# KiCad board Keyboard.kicad_pcb (continued)
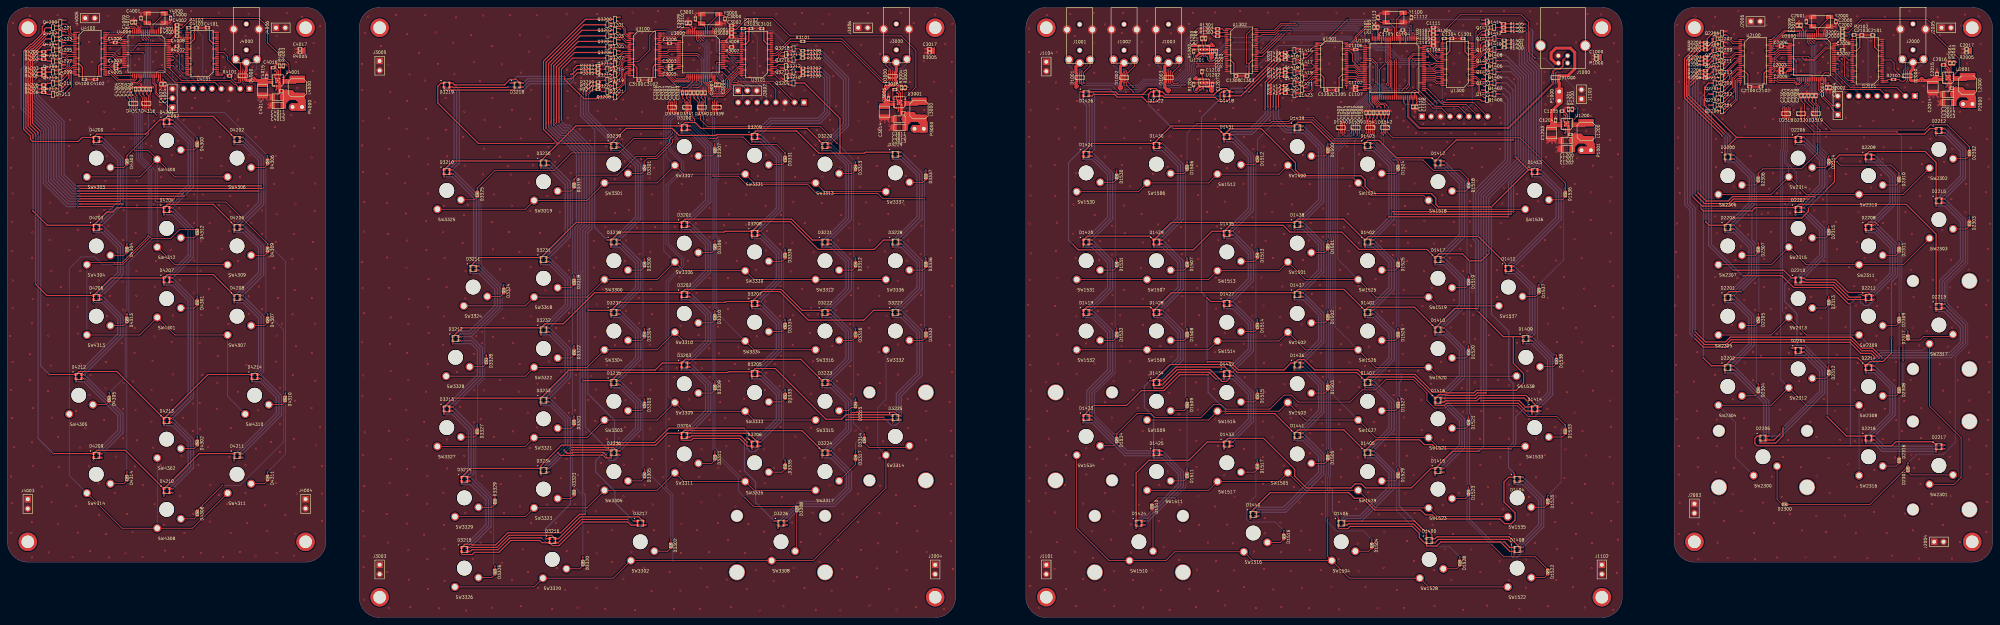
[diagram p0: board, top side]
## Nets (continued)
/Keyboard-Right/LED-Matrix-Right/LC8: Q1407.1 U1300.12
/Keyboard-Right/LED-Matrix-Right/LC8_X1: D1407.1 D1416.1 D1425.1 D1434.1 Q1407.3
/Keyboard-Right/LED-Matrix-Right/LC9: Q1408.1 U1300.13
/Keyboard-Right/LED-Matrix-Right/LC9_X1: D1408.1 D1417.1 D1426.1 D1435.1 Q1408.3
/Keyboard-Right/LED-Matrix-Right/LR1: Q1409.1 U1300.14
/Keyboard-Right/LED-Matrix-Right/LR1_X1: D1400.4 D1401.4 D1402.4 D1403.4 D1404.4 D1405.4 D1406.4 D1407.4 D1408.4 R1400.1
/Keyboard-Right/LED-Matrix-Right/LR2: Q1410.1 U1300.16
/Keyboard-Right/LED-Matrix-Right/LR2_X1: D1400.3 D1401.3 D1402.3 D1403.3 D1404.3 D1405.3 D1406.3 D1407.3 D1408.3 R1401.1
/Keyboard-Right/LED-Matrix-Right/LR3: Q1411.1 U1300.17
/Keyboard-Right/LED-Matrix-Right/LR3_X1: D1400.2 D1401.2 D1402.2 D1403.2 D1404.2 D1405.2 D1406.2 D1407.2 D1408.2 R1402.1
/Keyboard-Right/LED-Matrix-Right/LR4: Q1412.1 U1300.19
/Keyboard-Right/LED-Matrix-Right/LR4_X1: D1409.4 D1410.4 D1411.4 D1412.4 D1413.4 D1414.4 D1415.4 D1416.4 D1417.4 R1403.1
/Keyboard-Right/LED-Matrix-Right/LR5: Q1413.1 U1300.20
/Keyboard-Right/LED-Matrix-Right/LR5_X1: D1409.3 D1410.3 D1411.3 D1412.3 D1413.3 D1414.3 D1415.3 D1416.3 D1417.3 R1404.1
/Keyboard-Right/LED-Matrix-Right/LR6: Q1414.1 U1301.2
/Keyboard-Right/LED-Matrix-Right/LR6_X1: D1409.2 D1410.2 D1411.2 D1412.2 D1413.2 D1414.2 D1415.2 D1416.2 D1417.2 R1405.1
/Keyboard-Right/LED-Matrix-Right/LR7: Q1415.1 U1301.3
/Keyboard-Right/LED-Matrix-Right/LR7_X1: D1418.4 D1419.4 D1420.4 D1421.4 D1422.4 D1423.4 D1424.4 D1425.4 D1426.4 R1406.1
/Keyboard-Right/LED-Matrix-Right/LR8: Q1416.1 U1301.5
/Keyboard-Right/LED-Matrix-Right/LR8_X1: D1418.3 D1419.3 D1420.3 D1421.3 D1422.3 D1423.3 D1424.3 D1425.3 D1426.3 R1407.1
/Keyboard-Right/LED-Matrix-Right/LR9: Q1417.1 U1301.13
/Keyboard-Right/LED-Matrix-Right/LR9_X1: D1418.2 D1419.2 D1420.2 D1421.2 D1422.2 D1423.2 D1424.2 D1425.2 D1426.2 R1408.1
/Keyboard-Right/LED-Matrix-Right/LR10: Q1418.1 U1301.14
/Keyboard-Right/LED-Matrix-Right/LR10_X1: D1427.4 D1428.4 D1429.4 D1430.4 D1431.4 D1432.4 D1433.4 D1434.4 D1435.4 R1409.1
/Keyboard-Right/LED-Matrix-Right/LR11: Q1419.1 U1301.16
/Keyboard-Right/LED-Matrix-Right/LR11_X1: D1427.3 D1428.3 D1429.3 D1430.3 D1431.3 D1432.3 D1433.3 D1434.3 D1435.3 R1410.1
/Keyboard-Right/LED-Matrix-Right/LR12: Q1420.1 U1301.17
/Keyboard-Right/LED-Matrix-Right/LR12_X1: D1427.2 D1428.2 D1429.2 D1430.2 D1431.2 D1432.2 D1433.2 D1434.2 D1435.2 R1411.1
/Keyboard-Right/LED-Matrix-Right/LR13: Q1421.1 U1301.19
/Keyboard-Right/LED-Matrix-Right/LR13_X1: D1436.4 D1437.4 D1438.4 D1439.4 D1440.4 D1441.4 R1412.1
/Keyboard-Right/LED-Matrix-Right/LR14: Q1422.1 U1301.20
/Keyboard-Right/LED-Matrix-Right/LR14_X1: D1436.3 D1437.3 D1438.3 D1439.3 D1440.3 D1441.3 R1413.1
/Keyboard-Right/LED-Matrix-Right/LR15: Q1423.1 U1301.22
/Keyboard-Right/LED-Matrix-Right/LR15_X1: D1436.2 D1437.2 D1438.2 D1439.2 D1440.2 D1441.2 R1414.1
/RX_M1: D1001.4 D1001.7 J1001.6 U1302.13
/RX_M2: D1002.4 D1002.7 J1002.6 U1302.14
/RX_M3: D1003.4 D1003.7 J1003.6 U1302.16
/RX_S1: D2000.1 D2000.10 J2000.2 U2101.13
/RX_S2: D3000.1 D3000.10 J3000.2 U3101.13
/RX_S3: D4000.1 D4000.10 J4000.2 U4101.13
/TX_M1: D1001.5 D1001.6 J1001.2 R1301.2
/TX_M2: D1002.5 D1002.6 J1002.2 R1302.2
/TX_M3: D1003.5 D1003.6 J1003.2 R1303.2
/TX_S1: D2000.2 D2000.9 J2000.6 R2101.2
/TX_S2: D3000.2 D3000.9 J3000.6 R3101.2
/TX_S3: D4000.2 D4000.9 J4000.6 R4101.2
USB_SHIELD: C1000.1 J1000.5 R1000.1 X1000.1 X1001.1 X1002.1 X1003.1
Net-(D1500-A): D1500.2 SW1500.2
Net-(D1501-A): D1501.2 SW1501.2
Net-(D1502-A): D1502.2 SW1502.2
Net-(D1503-A): D1503.2 SW1503.2
Net-(D1504-A): D1504.2 SW1504.2
Net-(D1505-A): D1505.2 SW1505.2
Net-(D1506-A): D1506.2 SW1506.2
Net-(D1507-A): D1507.2 SW1507.2
Net-(D1508-A): D1508.2 SW1508.2
Net-(D1509-A): D1509.2 SW1509.2
Net-(D1510-A): D1510.2 SW1510.2
Net-(D1511-A): D1511.2 SW1511.2
Net-(D1512-A): D1512.2 SW1512.2
Net-(D1513-A): D1513.2 SW1513.2
Net-(D1514-A): D1514.2 SW1514.2
Net-(D1515-A): D1515.2 SW1515.2
Net-(D1516-A): D1516.2 SW1516.2
Net-(D1517-A): D1517.2 SW1517.2
Net-(D1518-A): D1518.2 SW1518.2
Net-(D1519-A): D1519.2 SW1519.2
Net-(D1520-A): D1520.2 SW1520.2
Net-(D1521-A): D1521.2 SW1521.2
Net-(D1522-A): D1522.2 SW1522.2
Net-(D1523-A): D1523.2 SW1523.2
Net-(D1524-A): D1524.2 SW1524.2
Net-(D1525-A): D1525.2 SW1525.2
Net-(D1526-A): D1526.2 SW1526.2
Net-(D1527-A): D1527.2 SW1527.2
Net-(D1528-A): D1528.2 SW1528.2
Net-(D1529-A): D1529.2 SW1529.2
Net-(D1530-A): D1530.2 SW1530.2
Net-(D1531-A): D1531.2 SW1531.2
Net-(D1532-A): D1532.2 SW1532.2
Net-(D1533-A): D1533.2 SW1533.2
Net-(D1534-A): D1534.2 SW1534.2
Net-(D1535-A): D1535.2 SW1535.2
Net-(D1536-A): D1536.2 SW1536.2
Net-(D1537-A): D1537.2 SW1537.2
Net-(D1538-A): D1538.2 SW1538.2
Net-(D2300-A): D2300.2 SW2300.2
Net-(D2301-A): D2301.2 SW2301.2
Net-(D2302-A): D2302.2 SW2302.2
Net-(D2303-A): D2303.2 SW2303.2
Net-(D2304-A): D2304.2 SW2304.2
Net-(D2305-A): D2305.2 SW2305.2
Net-(D2306-A): D2306.2 SW2306.2
Net-(D2307-A): D2307.2 SW2307.2
Net-(D2308-A): D2308.2 SW2308.2
Net-(D2309-A): D2309.2 SW2309.2
Net-(D2310-A): D2310.2 SW2310.2
Net-(D2311-A): D2311.2 SW2311.2
Net-(D2312-A): D2312.2 SW2312.2
Net-(D2313-A): D2313.2 SW2313.2
Net-(D2314-A): D2314.2 SW2314.2
Net-(D2315-A): D2315.2 SW2315.2
Net-(D2316-A): D2316.2 SW2316.2
Net-(D2317-A): D2317.2 SW2317.2
Net-(D3300-A): D3300.2 SW3300.2
Net-(D3301-A): D3301.2 SW3301.2
Net-(D3302-A): D3302.2 SW3302.2
Net-(D3303-A): D3303.2 SW3303.2
Net-(D3304-A): D3304.2 SW3304.2
Net-(D3305-A): D3305.2 SW3305.2
Net-(D3306-A): D3306.2 SW3306.2
Net-(D3307-A): D3307.2 SW3307.2
Net-(D3308-A): D3308.2 SW3308.2
Net-(D3309-A): D3309.2 SW3309.2
Net-(D3310-A): D3310.2 SW3310.2
Net-(D3311-A): D3311.2 SW3311.2
Net-(D3312-A): D3312.2 SW3312.2
Net-(D3313-A): D3313.2 SW3313.2
Net-(D3314-A): D3314.2 SW3314.2
Net-(D3315-A): D3315.2 SW3315.2
Net-(D3316-A): D3316.2 SW3316.2
Net-(D3317-A): D3317.2 SW3317.2
Net-(D3318-A): D3318.2 SW3318.2
Net-(D3319-A): D3319.2 SW3319.2
Net-(D3320-A): D3320.2 SW3320.2
Net-(D3321-A): D3321.2 SW3321.2
Net-(D3322-A): D3322.2 SW3322.2
Net-(D3323-A): D3323.2 SW3323.2
Net-(D3324-A): D3324.2 SW3324.2
Net-(D3325-A): D3325.2 SW3325.2
Net-(D3326-A): D3326.2 SW3326.2
Net-(D3327-A): D3327.2 SW3327.2
Net-(D3328-A): D3328.2 SW3328.2
Net-(D3329-A): D3329.2 SW3329.2
Net-(D3330-A): D3330.2 SW3330.2
Net-(D3331-A): D3331.2 SW3331.2
Net-(D3332-A): D3332.2 SW3332.2
Net-(D3333-A): D3333.2 SW3333.2
Net-(D3334-A): D3334.2 SW3334.2
Net-(D3335-A): D3335.2 SW3335.2
Net-(D3336-A): D3336.2 SW3336.2
Net-(D3337-A): D3337.2 SW3337.2
Net-(D4300-A): D4300.2 SW4300.2
Net-(D4301-A): D4301.2 SW4301.2
Net-(D4302-A): D4302.2 SW4302.2
Net-(D4303-A): D4303.2 SW4303.2
Net-(D4304-A): D4304.2 SW4304.2
Net-(D4305-A): D4305.2 SW4305.2
Net-(D4306-A): D4306.2 SW4306.2
Net-(D4307-A): D4307.2 SW4307.2
Net-(D4308-A): D4308.2 SW4308.2
Net-(D4309-A): D4309.2 SW4309.2
Net-(D4310-A): D4310.2 SW4310.2
Net-(D4311-A): D4311.2 SW4311.2
Net-(D4312-A): D4312.2 SW4312.2
Net-(D4313-A): D4313.2 SW4313.2
Net-(D4314-A): D4314.2 SW4314.2
Net-(L1200-Pad1): L1200.1 U1200.1 U1200.2 U1200.3
Net-(L2000-Pad1): L2000.1 U2001.1 U2001.2 U2001.3
Net-(L3000-Pad1): L3000.1 U3001.1 U3001.2 U3001.3
Net-(L4000-Pad1): L4000.1 U4001.1 U4001.2 U4001.3
Net-(Q1409-D): Q1409.3 R1400.2
Net-(Q1410-D): Q1410.3 R1401.2
Net-(Q1411-D): Q1411.3 R1402.2
Net-(Q1412-D): Q1412.3 R1403.2
Net-(Q1413-D): Q1413.3 R1404.2
Net-(Q1414-D): Q1414.3 R1405.2
Net-(Q1415-D): Q1415.3 R1406.2
Net-(Q1416-D): Q1416.3 R1407.2
Net-(Q1417-D): Q1417.3 R1408.2
Net-(Q1418-D): Q1418.3 R1409.2
Net-(Q1419-D): Q1419.3 R1410.2
Net-(Q1420-D): Q1420.3 R1411.2
Net-(Q1421-D): Q1421.3 R1412.2
Net-(Q1422-D): Q1422.3 R1413.2
Net-(Q1423-D): Q1423.3 R1414.2
Net-(Q2206-D): Q2206.3 R2200.2
Net-(Q2207-D): Q2207.3 R2201.2
Net-(Q2208-D): Q2208.3 R2202.2
Net-(Q2209-D): Q2209.3 R2203.2
Net-(Q2210-D): Q2210.3 R2204.2
Net-(Q2211-D): Q2211.3 R2205.2
Net-(Q2212-D): Q2212.3 R2206.2
Net-(Q2213-D): Q2213.3 R2207.2
Net-(Q2214-D): Q2214.3 R2208.2
Net-(Q3210-D): Q3210.3 R3200.2
Net-(Q3211-D): Q3211.3 R3201.2
Net-(Q3212-D): Q3212.3 R3202.2
Net-(Q3213-D): Q3213.3 R3203.2
Net-(Q3214-D): Q3214.3 R3204.2
Net-(Q3215-D): Q3215.3 R3205.2
Net-(Q3216-D): Q3216.3 R3206.2
Net-(Q3217-D): Q3217.3 R3207.2
Net-(Q3218-D): Q3218.3 R3208.2
Net-(Q3219-D): Q3219.3 R3209.2
Net-(Q3220-D): Q3220.3 R3210.2
Net-(Q3221-D): Q3221.3 R3211.2
Net-(Q4205-D): Q4205.3 R4200.2
Net-(Q4206-D): Q4206.3 R4201.2
Net-(Q4207-D): Q4207.3 R4202.2
Net-(Q4208-D): Q4208.3 R4203.2
Net-(Q4209-D): Q4209.3 R4204.2
Net-(Q4210-D): Q4210.3 R4205.2
Net-(Q4211-D): Q4211.3 R4206.2
Net-(Q4212-D): Q4212.3 R4207.2
Net-(Q4213-D): Q4213.3 R4208.2
Net-(U1100-BOOT0): R1100.1 U1100.94
Net-(U1100-PH0-OSC_IN): C1112.1 U1100.12 Y1100.1
Net-(U1100-PH1-OSC_OUT): C1113.1 U1100.13 Y1100.3
Net-(U1100-VCAP_1): C1102.2 U1100.48
Net-(U1100-VCAP_2): C1110.2 U1100.73
Net-(U1200-FB): R1200.2 R1201.1 U1200.5
Net-(U1200-FSW): C1200.1 C1201.1 C1202.1 L1200.2 P1001.1 R1200.1 U1200.7 U1200.14
Net-(U1200-SS/TR): C1205.1 U1200.9
Net-(U1201-CT1): C1209.2 U1201.12
Net-(U1201-CT2): C1208.2 U1201.10
Net-(U1202-CT1): C1210.2 U1202.12
Net-(U1302-1B1): R1301.1 U1302.2
Net-(U1302-1B2): R1302.1 U1302.3
Net-(U1302-1B3): R1303.1 U1302.5
Net-(U2000-BOOT0): R2002.2 U2000.60
Net-(U2000-PH0-OSC_IN): C2000.1 U2000.5 Y2000.3
Net-(U2000-PH1-OSC_OUT): C2001.1 U2000.6 Y2000.1
Net-(U2000-VCAP_1): C2003.2 U2000.30
Net-(U2001-FB): R2003.2 R2004.1 U2001.5
Net-(U2001-FSW): C2011.1 C2012.1 C2013.1 L2000.2 P2000.1 R2003.1 U2001.7 U2001.14
Net-(U2001-SS/TR): C2016.1 U2001.9
Net-(U2101-1B1): R2101.1 U2101.2
Net-(U3000-BOOT0): R3002.2 U3000.60
Net-(U3000-PH0-OSC_IN): C3000.1 U3000.5 Y3000.3
Net-(U3000-PH1-OSC_OUT): C3001.1 U3000.6 Y3000.1
Net-(U3000-VCAP_1): C3003.2 U3000.30
Net-(U3001-FB): R3003.2 R3004.1 U3001.5
Net-(U3001-FSW): C3011.1 C3012.1 C3013.1 L3000.2 P3000.1 R3003.1 U3001.7 U3001.14
Net-(U3001-SS/TR): C3016.1 U3001.9
Net-(U3101-1B8): R3101.1 U3101.12
Net-(U4000-BOOT0): R4002.2 U4000.60
Net-(U4000-PH0-OSC_IN): C4000.1 U4000.5 Y4000.3
Net-(U4000-PH1-OSC_OUT): C4001.1 U4000.6 Y4000.1
Net-(U4000-VCAP_1): C4003.2 U4000.30
Net-(U4001-FB): R4003.2 R4004.1 U4001.5
Net-(U4001-FSW): C4011.1 C4012.1 C4013.1 L4000.2 P4000.1 R4003.1 U4001.7 U4001.14
Net-(U4001-SS/TR): C4016.1 U4001.9
Net-(U4101-1B1): R4101.1 U4101.2

Pads without a net: D1540 1 2 9 10; D1542 1 10; D2320 1 2 4 7 9 10; D3339 1 2 9 10; D3341 1 10; U1100 6 8 9 23 24 29 30 31 32 46 56 57 58 59 60 61 62 65 66 67 69 78 79; U1202 8 9 10; U1300 22 23 26 27; U1301 6 8 9 11 12 23 26 37 38 40 41 43; U1302 6 8 9 11 12 17 19 20 22 23 26 27 29 30 32 37 38 40 41 43; U2000 1 3 4 26 27 28 36 40 42 43 51 52 54; U2100 14 35; U2101 3 5 6 8 9 11 12 14 16 17 19 20 22 23 26 27 29 30 32 33 35 37 38 40 41 43 44 46; U3000 1 3 4 54; U3101 11 14 16 17 19 20 22 23 26 27 29 30 32 33 35 38; U4000 1 3 4 21 22 23 36 39 40 41 42 43 51 52 54; U4100 9 11 38 40; U4101 3 5 6 8 9 11 12 14 16 17 19 20 22 23 26 27 29 30 32 33 35 37 38 40 41 43 44 46

## Via types
v1: diameter 0.5, hole 0.3, Top to Bottom, 2906 vias
v2: diameter 0.4, hole 0.2, Top to Bottom, 416 vias

## Routing (per net, layer and track width the routed paths; a pad name or vN(x,y) marks a point on that pad's centre or on a via; arc(x,y) is an arc through that point)
/VBUS: length 27.4
  Top w0.2: D1000.4 D1000.5 D1000.6 D1000.7
  Top w0.7: 418.76,146.49 418.76,145.51 418.75,145.5 418.75,144.85 419,144.6
  Top w0.8: 418.81,146.49 421.29,146.49 423.2,148.4 423.2,152.8 422,154 418.1,154 416.8,152.7 416.8,151.1 417.96,149.94 J1000.1 ; 419,144.6 P1000.1
/VDD_5V_M1: length 56.1
  Top w0.6: v2(289,143.7) 288.8,143.7 v2(288.5,143.4) 288.7,143.4 v2(289,143.7) ; v2(289,143.7) 288.7,144 v2(288.5,144) ; 322,154.62 v2(320.4,154.62) ; v2(320.4,155.22) v2(319.8,154.62) v2(320.4,154.62) ; v2(320.4,155.22) v2(320.4,154.62) ; v2(320.4,155.22) 320.98,154.65
  Top w0.7: 288.5,144.7 288.75,144.95 288.75,147.05 288.5,147.3
  Top w0.8: 288.5,144.7 v2(288.5,144) v2(288.5,143.4) ; J1001.1 288.5,149 288.5,147.3
  In2.Cu w0.6: v2(319.8,154.62) v2(320.4,154.62) v2(320.4,155.22)
  In2.Cu w0.8: v2(289,143.7) 288.7,143.4 v2(288.5,143.4) v2(288.5,144) 288.75,144 289.5,143.25 292.45,143.25 295.8,146.6 316.85,146.6 318.4,148.15 318.4,153.22 v2(320.4,155.22)
/VDD_5V_M2: length 48.2
  Top w0.6: v2(325.1,154.62) v2(325.7,154.62) v2(325.1,155.22) v2(325.1,154.62) ; v2(325.1,154.62) 324,154.62
  Top w0.7: 300.5,147.3 300.75,147.05 300.75,144.95 300.5,144.7
  Top w0.8: v2(300.2,143.4) 300.2,143.2 v2(300.5,142.9) 300.8,143.2 v2(300.8,143.4) v2(300.2,143.4) ; v2(300.2,143.4) 300.5,143.7 300.5,144.7 ; 300.5,147.3 300.5,149.03 J1002.1
  In2.Cu w0.6: v2(325.7,154.62) v2(325.1,155.22) 325.1,154.85 324.88,154.62
  In2.Cu w0.8: v2(300.8,143.4) 300.8,143.2 v2(300.5,142.9) 300.2,143.2 v2(300.2,143.4) v2(300.8,143.4) ; v2(300.8,143.4) 302.8,143.4 304.8,145.4 317.4,145.4 319.9,147.9 319.9,152.8 321.73,154.62 v2(325.7,154.62)
/VDD_5V_M3: length 25.8
  Top w0.6: v2(320.98,145.62) v2(320.38,145.62) v2(320.98,146.22) v2(320.98,145.62) ; v2(320.98,145.62) 322,145.62
  Top w0.7: 312.5,144.7 312.75,144.95 312.75,147.05 312.5,147.3
  Top w0.8: v2(313.1,142.7) 312.5,143.3 312.5,144.7 ; v2(313.1,142.7) 313.1,142.5 v2(313.4,142.2) ; v2(313.1,142.7) v2(313.7,142.7) 313.7,142.5 v2(313.4,142.2) ; v2(313.1,142.7) 313.4,142.4 v2(313.4,142.2) ; 312.5,147.3 312.5,149.03 J1003.1
  In2.Cu w0.6: v2(320.38,145.62) v2(320.98,145.62) v2(320.98,146.22)
  In2.Cu w0.8: v2(320.98,146.22) 319.1,144.35 319.1,143.9 317.9,142.7 v2(313.1,142.7) 313.1,142.5 v2(313.4,142.2) 313.7,142.5 v2(313.7,142.7)
GND: length 3272.6
  Top w0.2: U1202.5 323.4,144.2 U1202.11 U1202.11 ; 325.4,144.6 325.5,144.7 ; 322.5,148.15 v2(323.2,148.15) ; U1201.11 U1201.11
  Top w0.3: v1(55.55,148.25) 56.55,148.25 ; 73.5,142.25 U4001.17 ; 73.5,142.25 73.75,142.5 U4001.16 73.75,144.5 U4001.17 ; 73.5,142.25 73.25,142.5 U4001.15 73.25,145 ; 72.25,149 72.25,148.5 ; 70,146.8 v1(70,147.5) ; C4012.2 71,138.5 v1(70.25,137.75) ; C4012.2 70.75,138.5 v1(70.25,139) ; C4012.2 71.5,140.8 ; 69,141.25 v1(70.25,140) ; 69,141.25 v1(69,140) ; 69,141.25 v1(67.75,140) ; 69,141.25 70.95,141.25 71.4,140.8 ; 73.45,142.25 73.45,141.95 v1(73,141.5) ; U4001.17 72.25,146 U4001.8 ; U4001.17 73.25,145.5 U4001.6 73.25,147.7 C4016.2 72.25,149.2 v1(72.5,149.45) 72.75,149.7 R4004.2 ; v1(205.25,148.05) 206.25,148.05 ; 201.3,159.3 v1(202.2,159.3) 203.15,159.3 ; U3101.24 v1(205.2,158.05) ; U3101.21 v1(205.2,156.55) ; U3101.15 v1(205.2,153.55) ; U3101.10 v1(205.2,151.05) ; 185.75,162.45 185.75,163.35 v1(185.8,163.4) 187.2,163.4 187.4,163.2 ; Y3000.2 193.5,160.6 v1(193.7,160.4) 193.7,161.2 193.8,161.3 ; v1(196.9,160.1) 196.1,160.1 ; 196.05,157.05 196.5,156.6 v1(197,156.6) 197.05,156.55 U3101.28 v1(199.3,156.55) ; U3101.45 v1(199.3,148.05) ; U3101.39 v1(199.3,151.05) ; U3101.34 v1(199.3,153.55) ; v1(190.35,145) 190.5,145.15 U3000.47 ; 192.2,143.5 191.2,143.5 v1(191.2,142.7) ; 192.2,143.5 C3004.2 ; 192.2,143.5 v1(192.2,142.7) ; v1(185.65,159.45) 185.5,159.3 U3000.12 ; 183.8,161.35 v1(183.8,162.05) ; 183.8,161.35 184.3,161.35 ; 183.8,161.35 183.3,161.35 ; U3000.31 v1(182.45,149.05) ; 178.45,148.8 v1(177.7,148.8) ; 178.45,148.8 178.45,149.3 ; 178.45,148.8 178.45,148.3 ; U3000.18 v1(182.4,155.55) ; U3100.45 v1(174.95,156.55) ; U3100.39 v1(174.95,153.55) ; U3100.34 v1(174.95,151.05) ; U3100.28 v1(174.95,148.05) ; 172.95,145.3 v1(172,145.3) 171.05,145.3 ; U3100.21 v1(169.05,148.05) ; U3100.15 v1(169.05,151.05) ; U3100.10 v1(169.05,153.55) ; U3100.4 v1(169.05,156.55) ; 185.35,142.45 187.9,142.45 ; Q3221.2 v1(163.4,142.8) ; 178.25,155.3 v1(177.4,155.3) ; U2101.39 v1(499.24,149.29) ; U2101.45 v1(499.24,146.29) ; 496.99,155.79 v1(496.94,155.84) 496.44,155.84 495.99,156.29 ; U2000.63 v1(494.24,154.79) ; 495.89,153.54 v1(495.89,154.79) ; U2101.34 v1(499.24,151.79) ; v1(464.34,152.49) 464.29,152.54 Q2210.2 ; v1(464.39,155.44) 464.29,155.54 Q2208.2 ; Q2211.2 v1(462.34,151.04) ; v1(496.84,159.34) 496.04,159.34 ; U2101.24 v1(505.14,156.29) ; v1(505.19,146.29) 506.19,146.29 ; 492.14,142.74 C2004.2 ; 492.14,142.74 491.14,142.74 v1(491.14,141.94) ; 492.14,142.74 v1(492.14,141.94) ; U2000.47 490.44,144.39 v1(490.29,144.24) ; 483.24,160.69 483.64,160.69 ; 483.64,160.69 484.24,160.69 ; 483.64,160.69 483.74,160.79 v1(483.74,161.29) ; U2000.2 490.44,158.54 v1(490.34,158.64) 491.54,159.84 Y2000.2 493.44,159.84 v1(493.64,159.64) 493.64,160.44 493.74,160.54 ; U2000.12 485.44,158.54 v1(485.59,158.69) ; 478.39,147.84 478.39,147.34 ; 478.39,147.84 478.39,148.34 ; 478.39,147.84 477.66,147.84 v1(477.65,147.85) ; U2000.31 v1(482.39,148.29) ; Q2207.2 v1(462.34,157.04) ; Q2206.2 v1(464.39,158.54) ; Q2209.2 v1(462.34,154.04) ; 478.39,154.54 v1(477.44,154.54) ; U2101.10 v1(505.14,149.29) ; U2101.15 v1(505.14,151.79) ; U2101.21 v1(505.14,154.79) ; 487.34,162.44 487.14,162.64 v1(485.74,162.64) 485.69,162.59 485.69,161.69 ; 470.99,143.54 v1(471.94,143.54) 472.89,143.54 ; U2100.4 v1(468.99,154.79) ; U2100.10 v1(468.99,151.79) ; U2100.15 v1(468.99,149.29) ; U2100.21 v1(468.99,146.29) ; Q2213.2 v1(462.39,148.04) ; 485.79,141.69 v1(489.04,141.69) ; 485.79,141.69 485.29,141.69 ; 485.79,141.69 v1(485.79,142.54) ; 484.29,141.69 485.24,141.69 ; U2100.28 v1(474.89,146.29) ; U2100.34 v1(474.89,149.29) ; U2100.39 v1(474.89,151.79) ; U2100.45 v1(474.89,154.79) ; U2000.18 v1(482.34,154.79) ; U1100.49 v1(367.8,143.1) ; v1(191.5,139.5) D3339.3 D3339.8 v1(191.5,136.5) ; U1301.10 v1(354.6,150.85) ; v1(194.4,155.65) 194.3,155.55 U3000.63 v1(192.05,155.55) ; 241.12,139.07 U3001.15 241.12,136.57 241.38,136.32 ; Q4207.2 v1(13.75,151) ; v1(163.85,150.6) 164.35,150.6 Q3213.2 ; 322.5,157.15 323,157.15 ; 323,157.15 323.5,157.15 ; 323,157.15 v2(323,157.9) ; C3013.2 238.62,132.57 v1(238.12,133.07) ; C3013.2 238.88,132.57 v1(238.12,131.82) ; C3013.2 239.38,134.88 ; v1(15.7,149.45) 15.65,149.5 Q4208.2 ; v1(15.5,147.15) 14.95,146.6 Q4210.2 ; U3001.17 241.62,138.57 U3001.16 241.62,136.57 241.38,136.32 ; U3001.17 241.12,139.57 U3001.6 241.12,141.82 240.38,142.57 ; U3001.17 240.12,140.07 U3001.8 ; v1(521.25,139.75) 521.75,139.25 C2012.2 ; 237.88,140.88 v1(237.88,141.57) ; U1301.21 v1(354.6,145.35) ; U1200.8 420.25,134.25 U1200.17 ; v1(521.25,138.5) 522,139.25 C2012.2 ; 524.5,143 524.25,143.25 U2001.15 524.25,145.75 ; 524.5,143 U2001.17 ; 524.5,143 524.75,143.25 U2001.16 524.75,145.25 U2001.17 ; 326.1,153.7 325.4,153.7 325.3,153.6 ; Y1100.4 v1(378.3,160.95) 379.05,161.7 ; U1202.11 322.05,144.65 320.6,144.65 ; 520,142 v1(521.25,140.75) ; 520,142 521.95,142 522.4,141.55 ; 520,142 v1(520,140.75) ; 520,142 v1(518.75,140.75) ; v1(368,131) D1541.8 D1541.3 v1(368,134) ; v1(313.5,144.5) D1003.3 D1003.8 v1(313.5,147.5) ; Q1418.2 v1(350.9,149.35) ; v1(488.25,134.8) D2319.3 D2319.8 v1(488.25,137.75) ; 363.45,143.1 363.45,142.6 ; 363.45,143.1 363.45,143.6 ; 363.45,143.1 v1(362.6,143.1) ; v1(418,147.3) D1000.8 D1000.3 v1(418,144.5) ; v1(427.77,151.98) 428.5,151.98 R1000.2 428.52,150.98 v1(427.77,150.98) ; U1100.99 v1(381.2,154.1) ; R3004.2 240.55,143.78 v1(240.38,143.6) 240.12,143.35 C3016.2 ; v1(187.5,139.5) D3340.8 D3340.3 v1(187.5,136.5) ; v1(179.5,136.5) D3338.8 D3338.3 v1(179.5,139.5) ; U4101.24 v1(55.5,158.25) ; 419.5,129.05 C1202.2 ; C1202.2 419,126.75 v1(418.25,126) ; C1202.2 418.75,126.75 v1(418.25,127.25) ; 372.8,158.85 v1(373.65,158.85) ; v1(364,134) D1539.8 D1539.3 v1(364,131) ; 369.5,160.15 v1(369.5,160.95) ; 369.5,160.15 370,160.15 ; 369.5,160.15 369,160.15 ; v1(15.75,152.4) 15.65,152.5 Q4206.2 ; v1(463.6,147.3) 463.59,147.29 Q2214.2 ; 187.9,142.45 v1(187.9,143.2) ; 187.9,142.45 188.35,142.45 ; 320.6,153.65 322.05,153.65 U1201.11 ; 385.55,159.6 v1(386.4,159.6) ; U1300.15 v1(394.4,150.85) ; U4100.34 v1(25.25,151.25) ; v1(49.6,151.25) U4101.39 ; D3341.8 v1(183.5,139.5) ; D3341.8 D3341.3 v1(183.5,136.5) D3341.8 ; U1100.80 v1(381.2,144.6) ; v1(49.6,156.75) U4101.28 47.35,156.75 v1(47.3,156.8) 46.8,156.8 46.35,157.25 ; v1(513,145) D2000.3 D2000.8 v1(513,148) ; 46.25,154.5 v1(46.25,155.75) ; U4101.45 v1(49.6,148.25) ; v1(360,131) D1540.3 D1540.8 v1(360,134) ; 241.32,136.32 241.32,136.03 v1(240.88,135.57) ; 35.6,143.45 36.1,143.45 ; 36.1,143.45 v1(39.35,143.45) ; 36.1,143.45 v1(36.1,144.3) ; Q4205.2 v1(13.7,154) ; 241.38,136.32 U3001.17 ; Q1419.2 v1(348.9,147.85) ; 380,137.55 v1(380,136.75) ; 380,137.55 379.5,137.55 ; 380,137.55 380.5,137.55 ; U2001.17 524.25,146.25 U2001.6 524.25,148.5 523.3,149.45 C2016.2 523.25,149.95 v1(523.5,150.2) 523.75,150.45 R2004.2 ; U2001.17 523.25,146.75 U2001.8 ; 419.4,129.05 418.95,129.5 417,129.5 ; v1(377.3,158) 377.5,157.8 U1100.7 v1(377.5,155.3) ; v1(377.3,158) 376.5,158 376,157.5 U1100.10 v1(376,155.3) ; v1(377.3,158) 377.3,158.85 ; 36.05,162.65 36.05,163.55 v1(36.1,163.6) 37.5,163.6 37.7,163.4 ; U4000.47 40.8,145.35 v1(40.65,145.2) ; v1(484.25,134.8) D2320.3 D2320.8 v1(484.25,137.75) ; C2304.2 483.56,141.64 v1(483.55,141.65) ; R1201.2 420.75,137.95 v1(420.5,137.7) 420.25,137.45 C1205.2 421.25,135.95 U1200.6 421.25,133.75 U1200.17 ; v1(366.05,137.05) v1(373.65,137.05) ; v1(15.6,144.05) 15.05,143.5 Q4212.2 ; v1(398.25,154.05) 398.8,154.6 Q1410.2 ; C2103.2 v1(502.14,157.54) C2101.2 ; 195.95,154.3 v1(195.95,155.1) ; U4100.28 v1(25.25,148.25) ; Q1411.2 v1(400.1,156.1) ; Q1413.2 v1(400.05,159.05) ; U1301.34 v1(360.4,148.35) ; U4100.39 v1(25.25,153.75) ; 28.55,155.5 v1(27.7,155.5) ; Q3219.2 163.15,145.8 v1(163.35,146) ; 42.5,143.7 41.5,143.7 v1(41.5,142.9) ; 42.5,143.7 v1(42.5,142.9) ; 42.5,143.7 C4004.2 ; U4000.31 v1(32.75,149.25) ; U1300.34 v1(388.6,150.85) ; v1(415.75,128.25) 417,129.5 ; 417,129.5 v1(418.25,128.25) ; 417,129.5 v1(417,128.25) ; U1300.45 v1(388.6,145.35) ; v1(34,140.5) D4317.8 D4317.3 v1(34,137.6) ; U1302.39 v1(336.1,154.7) ; 385.55,155.6 385.55,156.5 385.45,156.6 ; 385.55,155.6 v1(386.4,155.6) ; 385.55,155.6 385.55,154.6 ; 521,147.55 v1(521,148.25) ; U1300.10 v1(394.4,148.35) ; v1(163.55,149) 163.35,148.8 Q3214.2 ; U1301.28 v1(360.4,145.35) ; 421.25,133.25 U1200.15 421.25,130.75 421.5,130.5 ; v1(527.75,153.75) 528.48,153.75 528.48,152.77 R2005.2 v1(527.75,152.75) ; U1200.17 421.5,130.5 ; Q1420.2 v1(350.9,146.35) ; 522.5,141.55 C2012.2 ; 236.88,135.32 v1(236.88,134.07) ; 236.88,135.32 v1(238.12,134.07) ; 236.88,135.32 v1(235.62,134.07) ; 236.88,135.32 238.82,135.32 239.27,134.88 ; v1(37.5,137.6) D4316.3 D4316.8 v1(37.5,140.5) ; U4101.15 v1(55.5,153.75) ; v1(480.25,137.75) D2318.3 D2318.8 v1(480.25,134.8) ; U4100.45 v1(25.25,156.75) ; U1302.21 v1(330.3,149.2) ; Q3217.2 v1(208.85,151.8) ; U4000.63 v1(44.6,155.75) ; 34.1,161.55 33.6,161.55 ; 34.1,161.55 v1(34.1,162.25) ; 34.1,161.55 34.6,161.55 ; v1(289.5,147.5) D1001.8 D1001.3 v1(289.5,144.5) ; U1302.45 v1(336.1,157.7) ; Q1423.2 v1(348.9,141.85) ; v1(181.5,142.45) 185.3,142.45 ; Q1415.2 v1(348.9,153.85) ; U1302.34 v1(336.1,152.2) ; Q2212.2 463.59,150.19 v1(463.6,150.2) ; 421.5,130.5 421.75,130.75 U1200.16 421.75,132.75 U1200.17 ; U2101.28 v1(499.24,154.79) ; 34.6,143.45 35.55,143.45 ; U1301.39 v1(360.4,150.85) ; 51.6,159.5 v1(52.5,159.5) 53.45,159.5 ; U1302.24 v1(330.3,147.7) ; 23.25,145.5 v1(22.3,145.5) 21.35,145.5 ; Q4211.2 v1(13.7,145) ; U4101.10 v1(55.5,151.25) ; Q1422.2 v1(350.9,143.35) ; C4304.2 v1(33.85,143.4) ; Q1417.2 v1(348.9,150.85) ; 334.15,146.45 v1(333.2,146.45) 332.25,146.45 ; 44.1,161.5 44,161.4 v1(44,160.6) 43.8,160.8 Y4000.2 ; Q3210.2 209.3,145.55 v1(208.95,145.9) ; v1(372,131) D1542.8 D1542.3 v1(372,134) ; Q1414.2 v1(398.05,160.55) ; v1(77.77,153.79) 78.5,153.79 78.5,152.81 78.52,152.79 v1(77.77,152.79) ; v1(421,129.75) 421.45,130.2 421.45,130.5 ; v1(394.4,154) 394.55,153.85 U1300.21 ; 28.75,149.5 28.75,149 ; 28.75,149 v1(28,149) ; 28.75,149 28.75,148.5 ; U4100.15 v1(19.35,151.25) ; U4100.21 v1(19.35,148.25) ; U1100.27 v1(367.9,154.1) ; Q1416.2 v1(350.9,152.35) ; U1100.74 v1(380,141.9) ; v1(247.77,152.75) 248.52,152.75 248.5,152.77 C3017.2 v1(247.77,153.75) ; Q3211.2 v1(210.85,147.05) ; Q4209.2 v1(13.7,148) ; Q1409.2 v1(400.1,153.1) ; U1302.28 v1(336.1,149.2) ; 325.5,144.65 v1(326.3,144.65) ; Q1421.2 v1(348.9,144.85) ; 390.55,156.6 v1(391.5,156.6) 392.45,156.6 ; v1(63.5,145) D4000.3 D4000.8 v1(63.5,148) ; v1(47.2,160.3) 46.4,160.3 ; U4100.10 v1(19.35,153.75) ; U1301.4 v1(354.6,153.85) ; 358.45,142.6 v1(357.5,142.6) 356.55,142.6 ; U1300.28 v1(388.6,153.85) ; Q4213.2 v1(13.7,142) ; 420.25,137.25 420.25,136.75 ; U4000.12 35.8,159.5 v1(35.95,159.65) ; v1(301.5,144.5) D1002.3 D1002.8 v1(301.5,147.5) ; U1100.20 v1(371,155.3) ; v1(163.85,144.7) 164.25,144.7 Q3220.2 ; v1(239,147.8) D3000.8 v1(239,145) ; U4101.21 v1(55.5,156.75) ; v1(208.85,148.6) 208.9,148.55 Q3212.2 ; Q3216.2 v1(210.85,150.3) ; 363.45,153.6 362.85,153.6 v1(362.6,153.85) U1301.45 v1(360.4,153.85) ; 524.45,143 524.45,142.7 v1(524,142.25) ; U1302.10 v1(330.3,154.7) ; U1300.4 v1(394.4,145.35) ; U3000.53 v1(194.45,150.55) ; v1(324.65,153.6) 324.7,153.65 C1206.2 ; U4000.18 v1(32.7,155.75) ; U4100.4 v1(19.35,156.75) ; U4101.34 v1(49.6,153.75) ; U1301.15 v1(354.6,148.35) ; v1(163.85,147.7) 164.25,147.7 Q3215.2 ; U1302.15 v1(330.3,152.2) ; U1302.4 v1(330.3,157.7) ; 370.05,162.8 v1(370.8,163.55) Y1100.2 ; Q3218.2 v1(210.85,153.3) ; U1300.39 v1(388.6,148.35) ; 418,135.05 v1(418,135.75) ; Q1412.2 v1(398.05,157.55)
  Top w0.6: U1201.11 v1(324.65,153.6) 325.3,153.6 ; U1202.11 325.4,144.6
  In1.Cu w0.2: 326.1,153.7 326.1,151.05 v2(323.2,148.15)
  In1.Cu w0.3: v1(70,147.5) 70.75,147.5 76.04,152.79 v1(77.77,152.79) v1(77.77,153.79) 75.04,156.52 J4006.2 J4006.1 68.3,159.5 J4000.3 J4000.3 60.25,158.25 v1(55.5,158.25) ; v1(70.25,140) v1(70.25,137.75) 80.5,127.5 J4004.1 J4004.2 70.11,19.1 15.86,19.1 J4003.2 J4003.1 5.5,133.8 v1(13.7,142) 13.7,142.15 v1(15.6,144.05) 14.65,144.05 v1(13.7,145) 13.7,145.35 v1(15.5,147.15) 14.55,147.15 v1(13.7,148) 14.25,148 v1(15.7,149.45) 15.3,149.45 v1(13.75,151) 14.35,151 v1(15.75,152.4) 15.3,152.4 v1(13.7,154) ; v1(70.25,140) 71.5,140 v1(73,141.5) ; v1(70.25,140) v1(69,140) v1(67.75,140) ; v1(199.3,148.05) 199.3,148.6 198.5,149.4 198.5,150.25 v1(199.3,151.05) ; v1(199.3,148.05) 193.4,148.05 v1(190.35,145) 191.2,144.15 v1(191.2,142.7) ; v1(199.3,148.05) 202.33,145.02 J3002.3 206.8,142.5 J3001.3 ; v1(199.3,151.05) v1(199.3,153.55) 197.75,155.1 v1(195.95,155.1) ; v1(199.3,151.05) 199,151.35 196.3,151.35 195.5,150.55 v1(194.45,150.55) ; v1(197,156.6) 199.25,156.6 v1(199.3,156.55) 200.4,156.55 202.2,158.35 v1(202.2,159.3) 203.45,158.05 v1(205.2,158.05) v1(205.2,156.55) 206.25,155.5 206.25,154.6 v1(205.2,153.55) v1(205.2,151.05) 206.25,150 206.25,149.05 v1(205.25,148.05) 207.4,145.9 v1(208.95,145.9) 209.7,145.9 v1(210.85,147.05) ; v1(197,156.6) 197.4,157 197.4,159.6 v1(196.9,160.1) 196.6,160.4 v1(193.7,160.4) 190.7,163.4 v1(185.8,163.4) ; v1(197,156.6) 195.95,155.55 v1(195.95,155.1) ; v1(192.2,142.7) v1(191.2,142.7) ; v1(191.2,142.7) 190.95,142.45 189.1,142.45 188.35,143.2 v1(187.9,143.2) 187.15,142.45 v1(181.5,142.45) 181.5,138.1 181.4,138 179.6,138 ; v1(191.2,142.7) 191.5,142.4 v1(191.5,139.5) 191.5,138 ; v1(185.8,163.4) 184.45,162.05 v1(183.8,162.05) ; v1(185.8,163.4) 185.65,163.25 v1(185.65,159.45) 182.4,156.2 v1(182.4,155.55) 182.4,153.3 182.45,153.25 182.45,150.8 ; v1(174.95,156.55) 174.05,155.65 ; v1(174.95,156.55) 174.95,161 v1(175,161.05) ; v1(174.95,156.55) 176.2,155.3 v1(177.4,155.3) ; 174.05,155.65 174.05,154.45 v1(174.95,153.55) v1(174.95,151.05) 174.2,150.3 174.2,148.8 v1(174.95,148.05) ; 174.05,155.65 173.15,156.55 v1(169.05,156.55) ; v1(174.95,148.05) 176.95,148.05 v1(177.7,148.8) 177.95,149.05 v1(182.45,149.05) 182.45,150.8 ; v1(174.95,148.05) 172.2,145.3 v1(172,145.3) ; v1(169.05,156.55) 170,155.6 170,154.5 v1(169.05,153.55) v1(169.05,151.05) 170.05,150.05 170.05,149.05 v1(169.05,148.05) 168.95,147.95 165.2,147.95 164.38,147.12 ; v1(169.05,156.55) 168.4,157.2 164.95,157.2 164.3,156.55 106.55,156.55 J3005.1 J3005.2 J3003.2 108.94,3.3 242.06,3.3 J3004.2 250.5,15 250.6,15.1 250.6,140.02 242.82,147.8 ; v1(496.94,155.84) v1(495.89,154.79) v1(494.24,154.79) 491.04,151.59 v1(490.19,151.59) 488.09,149.49 v1(485.09,149.49) ; v1(496.94,155.84) 497.34,156.24 497.34,158.84 v1(496.84,159.34) 496.54,159.64 v1(493.64,159.64) ; v1(496.94,155.84) 496.94,154.09 498.49,152.54 ; v1(477.44,154.54) 479.49,152.49 482.39,152.49 ; 482.39,152.49 482.34,152.54 v1(482.34,154.79) 482.34,155.44 v1(485.59,158.69) 485.59,162.49 v1(485.74,162.64) ; 482.39,152.49 v1(482.39,148.29) 478.09,148.29 v1(477.65,147.85) ; v1(485.74,162.64) 484.39,161.29 v1(483.74,161.29) 482.74,160.29 v1(474.94,160.29) 474.03,161.2 J2006.2 J2006.1 ; v1(485.74,162.64) 490.64,162.64 v1(493.64,159.64) ; v1(491.14,141.94) 491.14,143.39 v1(490.29,144.24) 490.29,144.49 v1(492.8,147) 498.47,147 498.5,147.03 ; v1(491.14,141.94) v1(492.14,141.94) 493.05,141.03 J2002.3 497.73,137.5 506.4,137.5 J2001.3 ; v1(491.14,141.94) 490.89,141.69 v1(489.04,141.69) 488.19,142.54 v1(485.79,142.54) 484.44,142.54 v1(483.55,141.65) 483.55,138.45 v1(484.25,137.75) 484.25,136.3 ; v1(493.64,159.64) 492.64,158.64 v1(490.34,158.64) ; v1(464.39,158.54) 463.84,158.54 v1(462.34,157.04) 463.94,155.44 v1(464.39,155.44) 462.99,154.04 v1(462.34,154.04) 462.79,154.04 v1(464.34,152.49) 462.89,151.04 ; 462.99,148.04 v1(462.39,148.04) 460.24,148.04 453.5,141.3 453.5,32.78 J2003.1 J2003.2 463.24,20.5 J2004.2 524.1,20.5 529.3,25.7 531.3,25.7 533.3,27.7 533.3,126.45 v1(521.25,138.5) v1(521.25,140.75) ; 462.99,148.04 463.6,147.43 v1(463.6,147.3) ; 462.99,148.04 463.6,148.65 ; v1(462.34,151.04) 462.89,151.04 ; 462.89,151.04 463.6,150.33 v1(463.6,150.2) 463.6,148.65 ; v1(471.94,143.54) 472.14,143.54 v1(474.89,146.29) 474.14,147.04 474.14,148.54 v1(474.89,149.29) v1(474.89,151.79) 473.99,152.69 473.99,153.89 ; 473.99,153.89 v1(474.89,154.79) ; 473.99,153.89 473.09,154.79 v1(468.99,154.79) 469.94,153.84 469.94,152.74 v1(468.99,151.79) v1(468.99,149.29) ; v1(468.99,149.29) 469.99,148.29 469.99,147.29 v1(468.99,146.29) ; v1(468.99,149.29) 468.13,148.43 463.82,148.43 463.6,148.65 ; v1(398.25,154.05) 399.15,154.05 v1(400.1,153.1) 402.4,153.1 403.3,152.2 414.8,152.2 416,151 ; v1(398.25,154.05) 398.2,154 v1(394.4,154) ; v1(398.25,154.05) 400.1,155.9 v1(400.1,156.1) 398.65,157.55 v1(398.05,157.55) 399.55,159.05 v1(400.05,159.05) 398.55,160.55 v1(398.05,160.55) ; 510.04,141.04 513,144 v1(513,145) v1(513,148) 513.25,148.25 v1(521,148.25) 521.75,148.25 523.5,150 ; 523.5,150 524,149.5 U2001.17 U2001.17 524.5,142.75 v1(524,142.25) 522.5,140.75 v1(521.25,140.75) ; 523.5,150 525,150 v1(527.75,152.75) v1(527.75,153.75) 527.75,156.51 J2005.2 J2005.1 518.27,159.5 J2000.3 J2000.3 506.98,159.12 505.14,157.29 ; v2(323.2,148.15) 326.3,145.05 v1(326.3,144.65) ; v1(484.25,134.8) 484.25,136.3 ; 484.25,136.3 484.3,136.25 ; 498.49,152.54 498.49,154.04 v1(499.24,154.79) ; 498.49,152.54 v1(499.24,151.79) v1(499.24,149.29) 498.5,148.55 498.5,147.03 ; 330.3,153.8 v1(330.3,152.2) 331,151.5 331,149.9 v1(330.3,149.2) ; 330.3,153.8 v1(330.3,154.7) 331,155.4 331,157 v1(330.3,157.7) ; 330.3,153.8 330.2,153.7 326.1,153.7 ; 364.55,135.55 366.1,134 v1(368,134) ; 364.55,135.55 v1(366.05,137.05) v1(373.65,137.05) ; 364.55,135.55 364,135 v1(364,134) v1(364,131) ; 364.55,135.55 360.65,135.55 360,134.9 v1(360,134) v1(360,131) ; 191.5,138 v1(191.5,136.5) ; 191.5,138 187.45,138 ; v1(378.3,160.95) 377.95,160.6 377.95,158.15 378.12,157.97 ; v1(239,145) 240.38,143.62 v1(240.38,143.6) 238.62,141.85 238.62,141.57 ; v1(239,145) 239.1,145 ; v1(239,145) 239,146.6 ; 242.82,147.8 v1(247.77,152.75) v1(247.77,153.75) 247.77,154.75 J3000.3 J3000.3 232.63,159.12 J3006.2 J3006.1 ; 242.82,147.8 v1(239,147.8) 239,146.6 ; v1(187.5,139.5) v1(187.5,136.5) ; v1(19.35,148.25) 20.35,149.25 20.35,150.25 v1(19.35,151.25) v1(19.35,153.75) 20.3,154.7 20.3,155.8 v1(19.35,156.75) 23.45,156.75 ; v1(35.55,151) 38.05,151 v1(40.05,153) 42.8,155.75 v1(44.6,155.75) v1(46.25,155.75) v1(47.3,156.8) ; v1(210.85,147.05) 213.8,150 223.4,150 226.8,146.6 239,146.6 ; v1(210.85,147.05) 210.7,147.05 209.15,148.6 ; 379.15,141.9 v1(380,141.9) 381.2,143.1 v1(381.2,144.6) 381.2,153.3 ; 379.15,141.9 379.15,137.6 v1(380,136.75) 380.75,137.5 386,137.5 386.96,136.54 J1100.3 ; 379.15,141.9 373.6,141.9 ; 182.45,150.8 v1(185.25,150.8) 188.05,150.8 v1(190.05,152.8) 191.55,152.8 193.18,154.43 v1(192.05,155.55) ; v1(330.3,149.2) v1(330.3,147.7) ; v1(330.3,149.2) 333.3,149.2 ; J1000.4 416.94,151.94 416,151 ; v1(377.5,155.3) 378.12,155.93 378.12,157.97 ; v1(377.5,155.3) 380,155.3 v1(381.2,154.1) 381.2,153.3 ; v1(377.5,155.3) v1(376,155.3) 373.35,155.3 ; J1001.3 280.5,153.4 J1104.1 J1104.2 ; v1(418.25,128.25) v1(417,128.25) v1(415.75,128.25) ; v1(418.25,128.25) v1(418.25,126) ; v1(418.25,128.25) 419.5,128.25 v1(421,129.75) 420.25,129.75 418,132 v1(418,135.75) 418.75,135.75 423.22,140.22 J1103.1 ; 209.35,151.8 v1(208.85,151.8) ; 209.35,151.8 v1(210.85,150.3) 209.15,148.6 ; 209.35,151.8 v1(210.85,153.3) ; v1(179.5,136.5) v1(179.5,139.5) ; v1(163.85,150.6) 163.85,149.3 v1(163.55,149) 163.85,148.7 v1(163.85,147.7) 164.38,147.18 164.38,147.12 ; v1(388.6,145.35) 389.3,146.05 389.3,147.65 v1(388.6,148.35) v1(388.6,150.85) 389.3,151.55 389.3,153.15 v1(388.6,153.85) ; v1(289.5,144.5) 289.5,146 ; 289.5,146 v1(289.5,147.5) 289.26,147.74 J1104.2 ; 289.5,146 301.5,146 ; v1(333.2,146.45) 333.2,149.1 333.3,149.2 ; v2(323,157.9) U1201.11 ; v1(386.4,155.6) 385.5,156.5 385.5,158.7 v1(386.4,159.6) ; v1(386.4,155.6) 388.15,153.85 v1(388.6,153.85) ; v1(386.4,155.6) 384.1,153.3 381.2,153.3 ; 416,151 416,149.3 v1(418,147.3) ; v1(22.3,145.5) 22.5,145.5 v1(25.25,148.25) ; v1(373.65,137.05) 373.65,141.85 373.6,141.9 ; v1(373.65,137.05) 373.65,134.95 372.7,134 v1(372,134) ; J1103.1 425,146.39 424.09,147.3 ; J1103.1 430.5,134.72 J1102.1 J1102.2 ; 183.55,138 187.35,138 ; J1104.2 280.5,66.2 278.9,64.6 278.9,26.8 280.5,25.2 J1101.1 J1101.2 ; v1(34,140.5) v1(37.5,140.5) 38.4,140.5 39.4,139.5 ; 362.6,145 367.8,145 ; 362.6,145 362.25,145.35 v1(360.4,145.35) ; 362.6,145 v1(362.6,143.1) ; 367.8,145 v1(367.8,143.1) 369,141.9 373.6,141.9 ; 367.8,145 367.8,154 v1(367.9,154.1) ; v1(41.5,142.9) v1(42.5,142.9) 44.47,142.9 J4002.3 46.13,141.4 50.88,141.4 52.63,139.65 56.95,139.65 J4001.3 60.3,147.45 60.25,147.5 ; v1(41.5,142.9) 41.5,144.35 v1(40.65,145.2) 43.7,148.25 v1(49.6,148.25) 49.6,148.8 48.8,149.6 48.8,150.45 v1(49.6,151.25) v1(49.6,153.75) v1(49.6,156.75) ; v1(41.5,142.9) 41.25,142.65 39.85,142.65 ; v1(368,134) v1(368,131) ; v1(368,134) v1(372,134) ; 505.14,157.29 505.14,155.79 506.19,154.74 506.19,152.84 v1(505.14,151.79) v1(505.14,149.29) 506.19,148.24 506.19,147.29 v1(505.19,146.29) ; 505.14,157.29 504.89,157.54 v1(502.14,157.54) ; 39.4,139.5 39.85,139.95 39.85,142.65 ; 39.4,139.5 v1(37.5,137.6) 36.9,138.2 34.6,138.2 v1(34,137.6) ; J4005.1 J4005.2 23.56,156.86 23.45,156.75 ; v1(47.3,156.8) 47.7,157.2 47.7,159.8 v1(47.2,160.3) 46.9,160.6 v1(44,160.6) 41,163.6 v1(36.1,163.6) ; v1(47.3,156.8) 49.55,156.8 v1(49.6,156.75) ; 23.45,156.75 24.35,155.85 ; v1(372,134) v1(372,131) ; 391.35,153.85 391.5,154 v1(391.5,156.6) ; 391.35,153.85 394.25,153.85 v1(394.4,154) ; 391.35,153.85 v1(388.6,153.85) ; v1(360.4,145.35) 357.45,145.35 ; v1(360.4,145.35) 359.75,146 359.75,147.7 v1(360.4,148.35) v1(360.4,150.85) 359.75,151.5 359.75,153.2 v1(360.4,153.85) v1(362.6,153.85) 363.2,154.45 367.55,154.45 v1(367.9,154.1) ; 357.45,145.35 357.5,145.3 v1(357.5,142.6) ; 357.45,145.35 v1(354.6,145.35) 353.9,146.05 353.9,147.65 v1(354.6,148.35) v1(354.6,150.85) 353.8,151.65 353.8,153.05 v1(354.6,153.85) v1(348.9,153.85) ; 39.85,142.65 39.85,142.95 v1(39.35,143.45) 38.5,144.3 v1(36.1,144.3) 34.75,144.3 v1(33.85,143.4) ; v1(418,147.3) v1(418,144.5) ; v1(418,147.3) 424.09,147.3 ; v1(55.5,158.25) 53.75,158.25 v1(52.5,159.5) 52.5,158.55 50.7,156.75 v1(49.6,156.75) ; v1(55.5,158.25) v1(55.5,156.75) 56.55,155.7 56.55,154.8 v1(55.5,153.75) v1(55.5,151.25) 56.55,150.2 56.55,149.25 v1(55.55,148.25) 56.3,147.5 60.25,147.5 ; 60.25,147.5 63,147.5 v1(63.5,148) v1(63.5,145) ; 164.38,147.12 163.35,146.1 v1(163.35,146) 163.85,145.5 v1(163.85,144.7) 163.85,143.25 v1(163.4,142.8) ; 24.35,155.85 24.35,154.65 v1(25.25,153.75) v1(25.25,151.25) 24.5,150.5 24.5,149 v1(25.25,148.25) ; 24.35,155.85 v1(25.25,156.75) 26.5,155.5 v1(27.7,155.5) ; v1(238.12,134.07) 239.38,134.07 v1(240.88,135.57) ; v1(238.12,134.07) v1(238.12,131.82) ; v1(238.12,134.07) v1(236.88,134.07) v1(235.62,134.07) ; v1(367.9,154.1) 369.1,155.3 v1(371,155.3) 373.35,155.3 ; 209.15,148.6 v1(208.85,148.6) ; v1(348.9,141.85) 349.4,141.85 v1(350.9,143.35) 350.4,143.35 v1(348.9,144.85) 349.4,144.85 v1(350.9,146.35) 350.4,146.35 v1(348.9,147.85) 349.4,147.85 v1(350.9,149.35) 350.4,149.35 v1(348.9,150.85) 349.4,150.85 v1(350.9,152.35) 350.4,152.35 v1(348.9,153.85) ; 424.09,147.3 v1(427.77,150.98) v1(427.77,151.98) ; v1(370.8,163.55) 369.5,162.25 v1(369.5,160.95) 371.55,160.95 v1(373.65,158.85) 373.4,158.6 373.4,155.35 373.35,155.3 ; v1(36.1,163.6) 34.75,162.25 v1(34.1,162.25) ; v1(36.1,163.6) 35.95,163.45 v1(35.95,159.65) 32.7,156.4 v1(32.7,155.75) 32.7,153.5 32.75,153.45 v1(32.75,149.25) 28.25,149.25 v1(28,149) 27.25,148.25 v1(25.25,148.25) ; v1(394.4,154) 393.5,153.1 393.5,151.4 394.05,150.85 v1(394.4,150.85) v1(394.4,148.35) 393.7,147.65 393.7,146.05 v1(394.4,145.35) ; v1(336.1,154.7) 335.4,155.4 335.4,157 v1(336.1,157.7) ; v1(336.1,154.7) v1(336.1,152.2) 335.5,151.6 335.5,149.8 v1(336.1,149.2) 333.3,149.2 ; v1(336.1,154.7) 348.05,154.7 v1(348.9,153.85) ; v1(195.95,155.1) 195.4,155.65 v1(194.4,155.65) ; 378.12,157.97 378.1,158 v1(377.3,158) ; 488.25,136.25 v1(488.25,134.8) ; 488.25,136.25 v1(488.25,137.75) ; 488.25,136.25 484.3,136.25 ; v1(521.25,140.75) v1(520,140.75) v1(518.75,140.75) ; v1(313.5,147.5) 313.5,146 ; 313.5,146 v1(313.5,144.5) ; 313.5,146 301.5,146 ; v1(301.5,147.5) 301.5,146 ; 301.5,146 v1(301.5,144.5) ; v1(183.5,139.5) v1(183.5,136.5) ; 484.3,136.25 480.25,136.25 ; 480.25,136.25 v1(480.25,137.75) ; 480.25,136.25 v1(480.25,134.8) ; 238.62,141.57 v1(237.88,141.57) ; 238.62,141.57 241.4,138.8 241.4,136.5 240.88,135.97 ; v1(499.24,146.29) 498.5,147.03 ; 181.45,138 183.45,138